# Altium PCB pcb_v1.PcbDoc (part 2 of 5)
Units mil, origin at the board's own origin, x right, y up, seen from the top; angles counter-clockwise.
Board outline 2527.56 x 5177.17 mil, 4 copper layers (L1 SIG, L2 SIG, L3 SIG, L4 SIG), stack 61.583 mil thick; 290 components, 207 nets, 1103 pads, 2427 vias.
Unrouted connection lines stored in the file: 255.
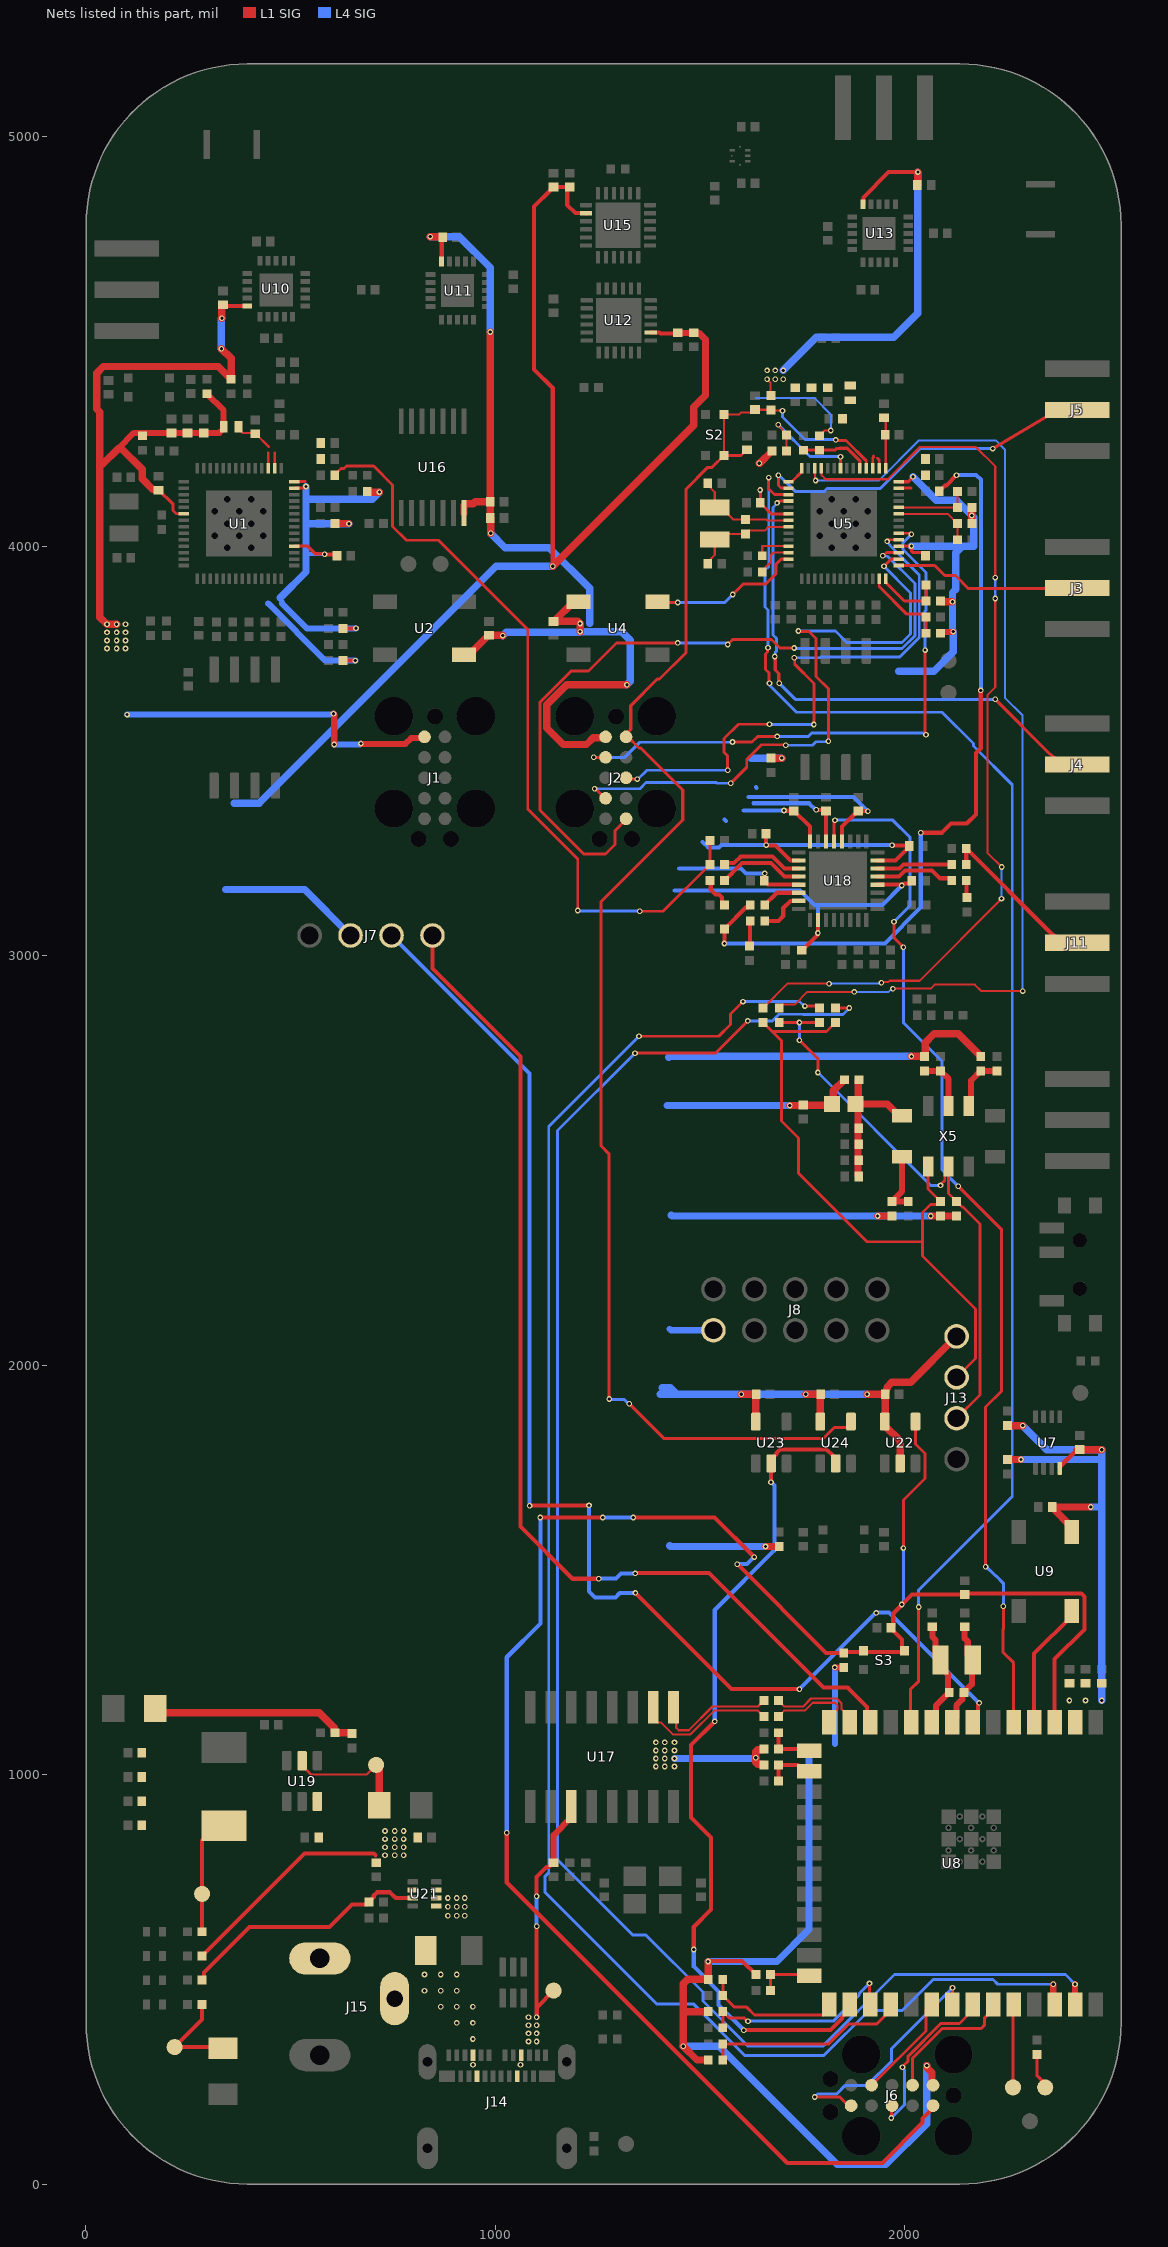
[diagram p4: the nets of this part, all layers, seen from the top]

## Part data (continued)
R76 R82 R83 R84 R85 R89 R90 R91 R93: library part RES_RC0402FR-0749R9L, "Res General Purpose Thick Film 0402 49.9 Ohm 1% 1/16W ±100ppm/°C Molded SMD Paper T/R", Case Code (Imperial)=0402, Case Code (Metric)=1005, Manufacturer=Yageo, Manufacturer Part Number=RC0402FR-0749R9L, Max Operating Temperature=155°C, Max Power Dissipation=63mW, Min Operating Temperature=-55°C, Package Quantity=1, Power Rating=62.5mW, Resistance Tolerance=1%, Resistor Type="Thick Film", Supplier Part Number 1=311-49.9LRCT-ND, Temperature Coefficient=100ppm/°C, Voltage Rating=50V, Case/Package=0402, Category="Chip SMD Resistors", ComponentLink1Description=https://datasheet.ciiva.com/7983/1018594-7983542.pdf?src-supplier=Element14, ComponentLink1URL=https://datasheet.ciiva.com/7983/1018594-7983542.pdf?src-supplier=Element14, ComponentLink2Description=https://datasheet.ciiva.com/22747/1018594-22747514.pdf?src-supplier=Element14, ComponentLink2URL=https://datasheet.ciiva.com/22747/1018594-22747514.pdf?src-supplier=Element14, ComponentLink3Description=https://datasheet.ciiva.com/2453/pyu-r-int-thick-7-2453356.pdf?src-supplier=Digi-Key, ComponentLink3URL=https://datasheet.ciiva.com/2453/pyu-r-int-thick-7-2453356.pdf?src-supplier=Digi-Key, ComponentLink4Description=https://datasheet.ciiva.com/2453/pyu-r-int-thick-7-2453357.pdf?src-supplier=Digi-Key, ComponentLink4URL=https://datasheet.ciiva.com/2453/pyu-r-int-thick-7-2453357.pdf?src-supplier=Digi-Key, ComponentLink5Description=https://datasheet.ciiva.com/2453/pyu-r-int-thick-7-2453355.pdf?src-supplier=Digi-Key, ComponentLink5URL=https://datasheet.ciiva.com/2453/pyu-r-int-thick-7-2453355.pdf?src-supplier=Digi-Key, ComponentLink6Description=https://datasheet.ciiva.com/16743/pyu-rc0402-51-rohs-l-6-r-16743942.pdf?src-supplier=Future+Electronics, ComponentLink6URL=https://datasheet.ciiva.com/16743/pyu-rc0402-51-rohs-l-6-r-16743942.pdf?src-supplier=Future+Electronics, Construction=Rectangular, Depth=0.5mm, Features="Moisture Resistant", Height=0.016inch, Lead Free="Lead Free", Length=1mm, Military Standard=Not, Number of Terminations=2, Packaging="Tape and Reel", Pins=2, Pricing 1="1=0.10000, 10=0.01400, 100=0.00580, 1000=0.00262, 2500=0.00228, 5000=0.00188 (USD)", Reach SVHC Compliant=Yes, RoHS=Yes, RoHS Compliant=Yes, Series=RC, Stock 1=11146612, Supplier 1=Digi-Key, Technology="THICK FILM", Termination=SMD/SMT, Tolerance=1%, Voltage Rating (DC)=50V, Width=0.02inch, Working Voltage=50V
R86 R87 R88 R95 R96 R97: library part RES_CRCW0402100KFKED, "Res Thick Film 0402 100K Ohm 1% 1/16W ±100ppm/°C Molded SMD Paper T/R", Case Code (Imperial)=0402, Case Code (Metric)=1005, Manufacturer=Vishay, Manufacturer Part Number=CRCW0402100KFKED, Max Operating Temperature=155°C, Max Power Dissipation=63mW, Min Operating Temperature=-55°C, Package Quantity=10000, Resistance=100kR, Resistance Tolerance=1%, Resistor Type="Thick Film", Supplier Part Number 1=24W1923, Temperature Coefficient=100ppm/°C, Voltage Rating=50V, Case/Package=0402, Category="Chip SMD Resistors", ComponentLink1Description=https://datasheet.ciiva.com/11810/0900766b80d98824-11810752.pdf?src-supplier=RSComponents, ComponentLink1URL=https://datasheet.ciiva.com/11810/0900766b80d98824-11810752.pdf?src-supplier=RSComponents, ComponentLink2Description=https://datasheet.ciiva.com/2463/dcrcwe3-2463064.pdf?src-supplier=Digi-Key, ComponentLink2URL=https://datasheet.ciiva.com/2463/dcrcwe3-2463064.pdf?src-supplier=Digi-Key, ComponentLink3Description=https://datasheet.ciiva.com/2463/dcrcwe3-2463065.pdf?src-supplier=Digi-Key, ComponentLink3URL=https://datasheet.ciiva.com/2463/dcrcwe3-2463065.pdf?src-supplier=Digi-Key, ComponentLink4Description=https://datasheet.ciiva.com/2463/dcrcwe3-2463066.pdf?src-supplier=Digi-Key, ComponentLink4URL=https://datasheet.ciiva.com/2463/dcrcwe3-2463066.pdf?src-supplier=Digi-Key, ComponentLink5Description=https://datasheet.ciiva.com/3255/dcrcwe3-3255947.pdf?src-supplier=Avnet, ComponentLink5URL=https://datasheet.ciiva.com/3255/dcrcwe3-3255947.pdf?src-supplier=Avnet, ComponentLink6Description=https://datasheet.ciiva.com/3255/dcrcwe3-3255948.pdf?src-supplier=Avnet, ComponentLink6URL=https://datasheet.ciiva.com/3255/dcrcwe3-3255948.pdf?src-supplier=Avnet, ComponentLink7Description=https://datasheet.ciiva.com/5546/dcrcwe3-109170-5546638.pdf?src-supplier=Mouser, ComponentLink7URL=https://datasheet.ciiva.com/5546/dcrcwe3-109170-5546638.pdf?src-supplier=Mouser, ComponentLink8Description=https://datasheet.ciiva.com/26316/fld-crcw-e3-data-en-26316630.pdf?src-supplier=Distrelec, ComponentLink8URL=https://datasheet.ciiva.com/26316/fld-crcw-e3-data-en-26316630.pdf?src-supplier=Distrelec, ComponentLink9Description=https://datasheet.ciiva.com/16941/dcrcwe3-16941129.pdf?src-supplier=Avnet+Europe, ComponentLink9URL=https://datasheet.ciiva.com/16941/dcrcwe3-16941129.pdf?src-supplier=Avnet+Europe, ComponentLink10Description=https://datasheet.ciiva.com/16208/dcrcwe3-16208508.pdf?src-supplier=Future+Electronics, ComponentLink10URL=https://datasheet.ciiva.com/16208/dcrcwe3-16208508.pdf?src-supplier=Future+Electronics, ComponentLink11Description=https://datasheet.ciiva.com/46441/1720486-46441598.pdf?src-supplier=Element14, ComponentLink11URL=https://datasheet.ciiva.com/46441/1720486-46441598.pdf?src-supplier=Element14, ComponentLink12Description=https://datasheet.ciiva.com/16776/70201119-16776281.pdf?src-supplier=Allied+Electronics, ComponentLink12URL=https://datasheet.ciiva.com/16776/70201119-16776281.pdf?src-supplier=Allied+Electronics, Construction=Rectangular, Contact Plating=Tin, Depth=0.5mm, Features="Automotive AEC-Q200", Height=0.35mm, Lead Free="Lead Free", Length=1mm, Military Standard=Not, Mount="Surface Mount", Number of Pins=2, Number of Terminations=2, Packaging="Tape and Reel", Power Rating=63mW, Pricing 1="1=0.00600, 10000=0.00600 (USD)", Radiation Hardening=No, REACH SVHC=Unknown, RoHS=Yes, RoHS Compliant=Yes, Series=CRCW, Size Code=0402, Stock 1=3660000, Supplier 1=Newark, Technology="THICK FILM", Termination=SMD/SMT, Tolerance=1%, Voltage Rating (DC)=50V, Weight=2.3E-05oz, Width=0.02inch
R100 R101: library part RES_RMCF0402FT5K10, "Res Thick Film 0402 5.1K Ohm 1% 0.063W ±100ppm/°C Molded SMD Paper T/R", Case Code (Imperial)=0402, Case Code (Metric)=1005, Manufacturer="Stackpole Electronics", Manufacturer Part Number=RMCF0402FT5K10, Max Operating Temperature=155°C, Max Power Dissipation=63mW, Min Operating Temperature=-55°C, Power Rating=62.5mW, Resistance=5.1kR, Resistor Type="Thick Film", Supplier Part Number 1=RMCF0402FT5K10CT-ND, Temperature Coefficient=100ppm/°C, Tolerance=1%, Case/Package=0402, Category="Chip SMD Resistors", ComponentLink1Description=http://components.arrow.com/part/dataview/51396875S385758N1174?src-supplier=Arrow+Electronics, ComponentLink1URL=http://components.arrow.com/part/dataview/51396875S385758N1174?src-supplier=Arrow+Electronics, ComponentLink2Description=https://www.seielect.com/catalog/SEI-RMCF_RMCP.pdf?src-supplier=Avnet, ComponentLink2URL=https://www.seielect.com/catalog/SEI-RMCF_RMCP.pdf?src-supplier=Avnet, ComponentLink3Description=https://www.seielect.com/catalog/SEI-Packaging.pdf?src-supplier=Digi-Key, ComponentLink3URL=https://www.seielect.com/catalog/SEI-Packaging.pdf?src-supplier=Digi-Key, ComponentLink4Description=https://www.seielect.com/catalog/SEI-RMCF_RMCP.pdf?src-supplier=Avnet+Asia, ComponentLink4URL=https://www.seielect.com/catalog/SEI-RMCF_RMCP.pdf?src-supplier=Avnet+Asia, Contact Plating=Tin,Matte, Features="Automotive AEC-Q200", Height=0.016inch, Length=0.039inch, Mount="Surface Mount", Number of Terminations=2, Packaging="Tape and Reel", Pricing 1="1=0.10000, 10=0.01500, 100=0.00610, 1000=0.00274, 2500=0.00238, 5000=0.00197 (USD)", Radiation Hardening=No, RoHS=Yes, RoHS Compliant=Yes, Series=RMCF, Stock 1=428257, Supplier 1=Digi-Key, Width=0.02inch
R102: library part RES_RC0402FR-0733K2L, "Res General Purpose Thick Film 0402 33.2K Ohm 1% 1/16W ±100ppm/°C Molded SMD Paper T/R", Case Code (Imperial)=0402, Case Code (Metric)=1005, Manufacturer=Yageo, Manufacturer Part Number=RC0402FR-0733K2L, Max Operating Temperature=155°C, Max Power Dissipation=63mW, Min Operating Temperature=-55°C, Power Rating=62.5mW, Supplier Part Number 1=311-33.2KLRCT-ND, Temperature Coefficient=100ppm/°C, Tolerance=1%, Voltage Rating=50V, Case/Package=0402, Category="Chip SMD Resistors", ComponentLink1Description=https://datasheet.ciiva.com/12668/pyu-rc0402-51-rohs-l-6-r-12668254.pdf?src-supplier=Mouser, ComponentLink1URL=https://datasheet.ciiva.com/12668/pyu-rc0402-51-rohs-l-6-r-12668254.pdf?src-supplier=Mouser, ComponentLink2Description=https://datasheet.ciiva.com/16740/pyu-rc0402-51-rohs-l-6-r-16740856.pdf?src-supplier=Future+Electronics, ComponentLink2URL=https://datasheet.ciiva.com/16740/pyu-rc0402-51-rohs-l-6-r-16740856.pdf?src-supplier=Future+Electronics, Construction=Rectangular, Depth=0.5mm, Features="Moisture Resistant", Lead Free="Lead Free", Length=1mm, Military Standard=Not, Number of Terminations=2, Packaging="Tape and Reel", Pricing 1="1=0.1, 10=0.015, 100=0.0073, 1000=0.00417, 2500=0.00342, 5000=0.00297 (USD)", RoHS=Yes, RoHS Compliant=Yes, Series=RC, Stock 1=594228, Supplier 1=Digi-Key, Technology="THICK FILM", Termination=SMD/SMT, Working Voltage=50V
S1 S2 S3 S4: library part SW_SKSVCAE010, "2.8x1.9mm Compact Type with Projection Surface Mount SKSV Series Tact Switch", Manufacturer="Alps Electric", Supplier Part Number 1=688-SKSVCAE010, Category="Tactile Switches", ComponentLink1Description=http://www.mouser.com/ds/2/15/ALPS_SKSVCAE010-463040.pdf?src-supplier=Mouser, ComponentLink1URL=http://www.mouser.com/ds/2/15/ALPS_SKSVCAE010-463040.pdf?src-supplier=Mouser, Manufacturer Part Number=SKSVCAE010, Pricing 1="1=0.54000, 10=0.54000, 50=0.43600, 100=0.42100, 1000=0.37500, 10000=0.36200 (USD)", RoHS=Yes, RoHS Compliant=Yes, Stock 1=17441, Supplier 1=Mouser
SW1: library part SW_PCM12SMTR, "Slide Switch SPDT Surface Mount, Right Angle", Package="DO-201 C&amp;K Components", Digi-Key_Part_Number=401-2016-1-ND, Digi-Key_Purchase_URL=https://www.digikey.com/product-detail/en/c-k/PCM12SMTR/401-2016-1-ND/1640125?utm_source=snapeda&utm_medium=aggregator&utm_campaign=symbol, MF=C&K, MP=PCM12SMTR, SnapEDA_Link=https://www.snapeda.com/parts/PCM12SMTR/C&K/view-part/229977/?ref=snap
TP1 TP2 TP3 TP4 TP5 TP6 TP7 TP8 TP9 TP10 TP11 TP12 TP13: library part TP_PAD-1MM
U1 U5: library part IC_ESP32-S3, "IC RF TxRx + MCU Bluetooth, WiFi 802.11b/g/n, Bluetooth v5.0 2.412GHz ~ 2.484GHz 56-VFQFN Exposed Pad", Package=None, Supplier Part Number 1=C2913192, Availability="In Stock", Check_prices=https://www.snapeda.com/parts/ESP32-S3/Espressif+Systems/view-part/?ref=eda, MF="Espressif Systems", MP=ESP32-S3, Price=None, Purchase-URL=https://pricing.snapeda.com/search/part/ESP32-S3/?ref=eda, SnapEDA_Link=https://www.snapeda.com/parts/ESP32-S3/Espressif+Systems/view-part/?ref=snap, Supplier 1=LCSC
U2 U4 U9: library part LED_WS2812B-B, "Intelligent control LED integrated light source", Manufacturer=WORLDSEMI, Manufacturer Part Number=WS2812B-B/W, Package=None, Supplier Part Number 1=C114586, Availability=Unavailable, Category=Uncategorized, MP=WS2812B-B, Price=None, Pricing 1="5=0.0923, 50=0.0756, 150=0.067, 1000=0.06, 2000=0.0575, 5000=0.0558 (USD)", RoHS=No, Stock 1=70735, Supplier 1=LCSC
U3 U6: library part IC_W25Q128JVSIQ, "NOR Flash Serial (SPI, Dual SPI, Quad SPI) 3.3V 128M-bit 16M x 8 6ns 8-Pin SOIC Tube", Case/Package=SOIC, Frequency=133MHz, Manufacturer=Winbond, Max Operating Temperature=85°C, Min Operating Temperature=-40°C, Supplier Part Number 1=W25Q128JVSIQ-ND, Category=Flash, ComponentLink1Description=http://www.winbond.com/resource-files/w25q128jv%20revf%2003272018%20plus.pdf?src-supplier=Digi-Key, ComponentLink1URL=http://www.winbond.com/resource-files/w25q128jv%20revf%2003272018%20plus.pdf?src-supplier=Digi-Key, Manufacturer Part Number=W25Q128JVSIQ, Memory Format=Non-Volatile,FLASH, Memory Size=128Mb, Mounting Technology="Surface Mount", Packaging=Tray, Pricing 1="1=1.71, 10=1.562, 25=1.52, 50=1.5124, 100=1.3519, 250=1.348, 500=1.32762, 1000=1.27127, 5000=1.18359 (USD)", RoHS=Yes, RoHS Compliant=Yes, Series=SpiFlash®, Stock 1=154352, Supplier 1=Digi-Key
U7: library part IC_SN74LVC3G07DCUR, "Triple Buffer/Driver With Open-Drain Output, DCU0008A, LARGE T&R", F @ Nom Voltage(Max)(Mhz)=150, Generic Part Number=SN74LVC3G07, ICC @ Nom Voltage(Max)(mA)=0.01, Manufacturer="Texas Instruments", Operating Temperature Range(C)="-40 to 125,-40 to 85", Rating=Catalog, tpd @ Nom Voltage(Max)(ns)=8.3,4.8,4.2,3.4, Voltage(Nom)(V)=1.8,2.5,3.3,5, 3-State Output=No, Bits(#)=3, DatasheetVersion=SCES365K, Input Type=CMOS/TTL, Logic=True, Manufacturer Part Number=SN74LVC3G07DCUR, Output Drive (IOL/IOH)(Max)(mA)=32/-32, Output Type=CMOS, PackageReference=DCU0008A, Schmitt Trigger=No, Sub-Family="Non-Inverting Buffer/Driver", Technology Family=LVC, VCC(Max)(V)=5.5, VCC(Min)(V)=1.65
U8: library part IC_ESP32-S3-WROOM-1U, "2.4 GHz Wi-Fi (802.11 b/g/n) and Bluetooth 5 (LE) module", Package=Package, Supplier Part Number 1=1965-ESP32-S3-WROOM-1U-N8R8CT-ND, Availability="Not in stock", Check_prices=https://www.snapeda.com/parts/ESP32-S3-WROOM-1U/Espressif+Systems/view-part/?ref=eda, MF="Espressif Systems", MP=ESP32-S3-WROOM-1U, Price=None, SnapEDA_Link=https://www.snapeda.com/parts/ESP32-S3-WROOM-1U/Espressif+Systems/view-part/?ref=snap, Supplier 1=Digi-Key
U10 U11 U13: library part RF_PE42420F-Z, "RF Switch, SPDT, 0.03 to 6 GHz, 0.95 dB IL, 70 dB Isolation, 45.4 dBm Pwr Rating, QFN", Manufacturer=pSemi, Supplier Part Number 1=1046-1158-1-ND, Category=Uncategorized, Manufacturer Part Number=PE42420F-Z, Pricing 1="1=2.32, 100=2.145 (USD)", RoHS=No, Stock 1=19071, Supplier 1=Digi-Key
U12 U15: library part IC_HMC472ALP4ETR, "RF Attenuator 31.5dB ±0.35dB 0 ~ 3.8GHz 50 Ohm 560mW 24-VFQFN Exposed Pad", Attenuation Value=31.5dB, Case/Package=SMD/SMT, Clock Frequency=3.8GHz, Manufacturer="Analog Devices", Max Operating Temperature=85°C, Max Power Dissipation=560mW, Min Operating Temperature=-40°C, Operating Supply Voltage=5V, Package Quantity=500, Supplier Part Number 1=C208585, Category="RF Semiconductors and Devices", ComponentLink1Description=https://datasheet.ciiva.com/46637/qtr-2013-00285-46637115.pdf?src-supplier=Digi-Key, ComponentLink1URL=https://datasheet.ciiva.com/46637/qtr-2013-00285-46637115.pdf?src-supplier=Digi-Key, ComponentLink2Description=https://datasheet.ciiva.com/46637/qtr-2013-00285-46637114.pdf?src-supplier=Digi-Key, ComponentLink2URL=https://datasheet.ciiva.com/46637/qtr-2013-00285-46637114.pdf?src-supplier=Digi-Key, ComponentLink3Description=https://datasheet.ciiva.com/46637/qtr-2013-00285-46637116.pdf?src-supplier=Digi-Key, ComponentLink3URL=https://datasheet.ciiva.com/46637/qtr-2013-00285-46637116.pdf?src-supplier=Digi-Key, Impedance=50R, Insertion Loss=3dB, Lead Free="Contains Lead", Manufacturer Part Number=HMC472ALP4ETR, Number of Bits=6, Number of Channels=1, Packaging="Tape and Reel", Pins=24, Pricing 1="1=2.2846, 10=1.9791, 30=1.7882, 100=1.4844, 500=1.3969, 1000=1.3587 (USD)", RoHS=Yes, RoHS Compliant=Yes, Series=-, Stock 1=927, Supplier 1=LCSC, Technology=GAAS, Weight=0.032741oz
U14: library part RF_SKY13323-378LF, "RF Switch SPDT 100MHz to 3GHz 24dB Automotive 6-Pin QFN EP T/R / IC SPDT 100MHZ-3GHZ 6-MLPD", Case/Package=QFN, Clock Frequency=3GHz, Manufacturer="Skyworks Solutions", Max Operating Temperature=85°C, Min Operating Temperature=-40°C, Operating Frequency="100 MHz to 3 GHz", Package Quantity=3000, Supplier Part Number 1=C150867, Category="RF Semiconductors and Devices", ComponentLink1Description=https://datasheet.ciiva.com/12072/201080e-33716-12072198.pdf?src-supplier=Mouser, ComponentLink1URL=https://datasheet.ciiva.com/12072/201080e-33716-12072198.pdf?src-supplier=Mouser, ComponentLink2Description=https://datasheet.ciiva.com/2799/201080e-2799483.pdf?src-supplier=Digi-Key, ComponentLink2URL=https://datasheet.ciiva.com/2799/201080e-2799483.pdf?src-supplier=Digi-Key, ComponentLink3Description=https://datasheet.ciiva.com/8155/201080e-8155659.pdf?src-supplier=Avnet, ComponentLink3URL=https://datasheet.ciiva.com/8155/201080e-8155659.pdf?src-supplier=Avnet, IIP3=50dBm, Impedance=50R, Insertion Loss=0.35dB, Lead Free="Lead Free", Manufacturer Part Number=SKY13323-378LF, Number of Switches=1, P1dB=27dBm, Packaging="Tape and Reel", Pricing 1="1=0.322, 10=0.2602, 30=0.2338, 100=0.2008, 500=0.1647, 1000=0.1559 (USD)", RoHS=Yes, RoHS Compliant=Yes, Series=-, Stock 1=18148, Supplier 1=LCSC, Test Frequency=3GHz, Throw Configuration=SPDT
U16: library part IC_74LV04PW,118, "IC HEX INVERTER 14TSSOP", Manufacturer=Nexperia, Supplier Part Number 1=C547867, Category="Logic Gates", Manufacturer Part Number=74LV04PW,118, Pricing 1="5=0.1694, 50=0.1449, 150=0.1411, 500=0.1353 (USD)", RoHS=Yes, RoHS Compliant=Yes, Stock 1=9740, Supplier 1=LCSC
U17: library part IC_SL2.1A, "USB 2.0 HIGH SPEED 4-PORT HUB CONTROLLER", Package=Package, Supplier Part Number 1=C192893, Availability="No availability data", Check_prices=https://www.snapeda.com/parts/SL2.1A/CoreChips%20ShenZhen%20CO.,Ltd/view-part/4219225/?ref=eda, MF="CoreChips ShenZhen CO.,Ltd", MP=SL2.1A, Price=None, SnapEDA_Link=https://www.snapeda.com/parts/SL2.1A/CoreChips%20ShenZhen%20CO.,Ltd/view-part/4219225/?ref=snap, Supplier 1=LCSC
U18: library part IC_LMK00334RTVR, "4-output PCIe Gen1/Gen2/Gen3/Gen4 clock buffer and level translator 32-WQFN -40 to 85", Clock Frequency=400MHz, Manufacturer="Texas Instruments", Max Operating Temperature=85°C, Max Supply Voltage=3.45V, Min Operating Temperature=-40°C, Min Supply Voltage=3.15V, Operating Supply Current=13.5mA, Operating Supply Voltage=3.3V, Package Quantity=1000, Supplier Part Number 1=C201644, Supply Current=8.5mA, Category="Clock Buffers, Drivers", ComponentLink1Description=https://datasheet.ciiva.com/28657/1789733-28657440.pdf?src-supplier=Element14, ComponentLink1URL=https://datasheet.ciiva.com/28657/1789733-28657440.pdf?src-supplier=Element14, ComponentLink2Description=https://datasheet.ciiva.com/29661/lmk00334-29661008.pdf?src-supplier=Digi-Key, ComponentLink2URL=https://datasheet.ciiva.com/29661/lmk00334-29661008.pdf?src-supplier=Digi-Key, Frequency=400MHz, Input=Crystal, Lead Free="Lead Free", Manufacturer Part Number=LMK00334RTVR, Max Duty Cycle=55%, Mounting Technology="Surface Mount", Number of Circuits=1, Number of Outputs=4, Packaging="Tape and Reel", Pins=32, PLL=No, Pricing 1="1=2.0539, 10=1.7676, 30=1.5894, 100=1.3841, 500=1.3014, 1000=1.2648 (USD)", Propagation Delay=2700ps, Radiation Hardening=No, Reach SVHC Compliant=No, RoHS=Yes, RoHS Compliant=Yes, Series=-, Stock 1=1001, Supplier 1=LCSC
U19: library part IC_AP62200TWU-7, "4.2V to 18V Input, 2A Low Iq Synchronous Buck Converter, Pfm/pwm", Manufacturer=Diodes, Supplier Part Number 1=C2895288, Category="Voltage Regulators - Switching", Manufacturer Part Number=AP62200TWU-7, Pricing 1="5=0.127, 50=0.1034, 150=0.0916, 500=0.0743, 3000=0.0673, 6000=0.0637 (USD)", RoHS=Yes, Stock 1=68810, Supplier 1=LCSC
U20: library part IC_TPD4E1U06DCKR, "TVS DIODE 5.5VWM 15VC SC70-6", Breakdown Voltage=6.5V, Case/Package=SC, Clamping Voltage=11V, Manufacturer="Texas Instruments", Max Operating Temperature=125°C, Max Power Dissipation=45W, Max Reverse Leakage Current=10nA, Min Operating Temperature=-40°C, Operating Supply Voltage=5.5V, Package Quantity=3000, Peak Pulse Current=3A, Power Line Protection=Yes, Supplier Part Number 1=C194628, Test Current=1mA, Category="Integrated Circuits (ICs)", ComponentLink1Description=https://datasheet.ciiva.com/12545/tpd4e1u06-224689-12545136.pdf?src-supplier=Mouser, ComponentLink1URL=https://datasheet.ciiva.com/12545/tpd4e1u06-224689-12545136.pdf?src-supplier=Mouser, ComponentLink2Description=https://datasheet.ciiva.com/6574/tpd4e1u06-6574672.pdf?src-supplier=Digi-Key, ComponentLink2URL=https://datasheet.ciiva.com/6574/tpd4e1u06-6574672.pdf?src-supplier=Digi-Key, Direction=Unidirectional, ESD Protection=Yes, Height=1mm, Interface=LVDS,USB,Ethernet, Lead Free="Lead Free", Length=2.15mm, Manufacturer Part Number=TPD4E1U06DCKR, Min Breakdown Voltage=6.5V, Mounting Technology="Surface Mount", Number of Channels=4, Number of Unidirectional Channels=4, Packaging="Tape and Reel", Peak Pulse Power=45W, Pins=6, Pricing 1="1=0.1276, 10=0.0987, 30=0.0864, 100=0.0709, 500=0.064, 1000=0.0478 (USD)", Reach SVHC Compliant=No, Reverse Standoff Voltage=5.5V, RoHS=Yes, RoHS Compliant=Yes, Series=-, Stock 1=448671, Supplier 1=LCSC, Termination=SMD/SMT, Width=1.4mm, Working Voltage=5.5V
U21: library part IC_TPS2116DRLR, "1.6-V to 5.5-V, 40-mΩ, 2.5-A, low-IQ, priority power multiplexer 8-SOT-5X3 -40 to 125", Manufacturer="Texas Instruments", Package=Package, Supplier Part Number 1=C3235557, Availability="No availability data", Category="Voltage Supervisors", Check_prices=https://www.snapeda.com/parts/TPS2116DRLR/Texas%20Instruments/view-part/5674360/?ref=eda, Manufacturer Part Number=TPS2116DRLR, MF="Texas Instruments", MP=TPS2116DRLR, Price=None, Pricing 1="1=0.6651, 10=0.5457, 30=0.4853, 100=0.4264, 500=0.3914, 1000=0.3723 (USD)", RoHS=Yes, SnapEDA_Link=https://www.snapeda.com/parts/TPS2116DRLR/Texas%20Instruments/view-part/5674360/?ref=snap, Stock 1=562, Supplier 1=LCSC
U22 U23 U24: library part IC_SN74LVC1G08DBVR, "AND Gate IC 1 Channel  SOT-23-5", Case/Package=SOT-23, High Level Output Current=-32mA, Low Level Output Current=32mA, Manufacturer="Texas Instruments", Max Operating Temperature=125°C, Max Supply Voltage=5.5V, Min Operating Temperature=-40°C, Min Supply Voltage=1.65V, Package="SOT-23-5 Texas Instruments", Package Quantity=1, Quiescent Current=10uA, Supplier Part Number 1=C7666, Availability=Unavailable, Category="Logic Gates", ComponentLink1Description=https://datasheet.ciiva.com/28540/1772545-28540795.pdf?src-supplier=Element14, ComponentLink1URL=https://datasheet.ciiva.com/28540/1772545-28540795.pdf?src-supplier=Element14, ComponentLink2Description=https://datasheet.ciiva.com/46439/1834190-46439158.pdf?src-supplier=Element14, ComponentLink2URL=https://datasheet.ciiva.com/46439/1834190-46439158.pdf?src-supplier=Element14, ComponentLink3Description=https://datasheet.ciiva.com/48703/001074511-da-01-en-ic-2-input-sn74lvc1g08dbvr-sot-23-5-tid-48703802.pdf?src-supplier=Conrad, ComponentLink3URL=https://datasheet.ciiva.com/48703/001074511-da-01-en-ic-2-input-sn74lvc1g08dbvr-sot-23-5-tid-48703802.pdf?src-supplier=Conrad, Lead Free="Lead Free", Logic Function="AND GATE", Manufacturer Part Number=SN74LVC1G08DBVR, Max Output current=32mA, MF="Texas Instruments", Mounting Technology="Surface Mount", MP=SN74LVC1G08DBVR, Number of Bits=1, Number of Circuits=1, Number of Elements=1, Number of Gates=1, Number of Input Lines=2, Number of Inputs=2, Number of Output Lines=1, Number of Outputs=1, Output Current=32mA, Packaging="Tape and Reel", Pins=5, Price=None, Pricing 1="5=0.0774, 50=0.0637, 150=0.0568, 500=0.0517, 3000=0.0419, 6000=0.0399 (USD)", Propagation Delay=4ns, Radiation Hardening=No, Reach SVHC Compliant=No, RoHS=Yes, RoHS Compliant=Yes, Series=74LVC, SnapEDA_Link=https://www.snapeda.com/parts/SN74LVC1G08DBVR/Texas%20Instruments/view-part/78735/?ref=snap, Stock 1=24375, Supplier 1=LCSC, Technology=CMOS, Termination=SMD/SMT, Texas_Instruments-Purchase-URL=https://snapeda.com/shop?store=Texas+Instruments&id=78735, Turn-On Delay Time=4.5ns, Weight=0.000557oz
X1 X2 X3: library part XTAL_X321532768KGD2SI, "贴片无源晶振 32.768KHZ 12.5PF ±20ppm –40~+85 ℃", Manufacturer=YXC, Manufacturer Part Number=X321532768KGD2SI, Supplier Part Number 1=C620155, RoHS=No, Supplier 1=LCSC
X4: library part XTAL_TAXM12M4RLBDDT2T, Manufacturer="TAE(Zhejiang Abel Elec)", Manufacturer Part Number=TAXM12M4RLBDDT2T, Supplier Part Number 1=C133334, Category=Uncategorized, Pricing 1="5=0.0594, 50=0.048, 150=0.0421, 500=0.0374, 3000=0.0357, 6000=0.0345 (USD)", RoHS=No, Stock 1=105435, Supplier 1=LCSC
X5: library part XTAL_SIT5501AI-WUG33JT-10.000000, "1 MHz  60 MHz, Elite X Stratum 3E Precision Oscillator", Manufacturer_Name=SiTime, Datasheet Link=https://www.sitime.com/support/resource-library/datasheets/sit5501-datasheet, Geometry.Height=2.2mm, Manufacturer_Part_Number=SiT5501AI-WU033JH-40.000000

## Via types
v1: diameter 13.78, hole 7.87, L1 SIG to L4 SIG, tented both sides, 2106 vias
v2: diameter 11.81, hole 7.87, L1 SIG to L4 SIG, 294 vias
v3: diameter 19.68, hole 13.78, L1 SIG to L4 SIG, tented both sides, 21 vias
v4: diameter 200, hole 122, L1 SIG to L4 SIG, 4 vias
v5: diameter 11.81, hole 7.87, L1 SIG to L4 SIG, tented both sides, 2 vias

## Nets (pads, with @x,y where several pads share a name; then routed paths per layer and width w, separated by ;. In a path a pad name is that pad's centre, name@x,y a point inside that pad or via, vN(x,y) a via of type N, cw(c..) or ccw(c..) an arc to the next point about the centre after c; other vN are vias at no path point)
+3V3: C1.2 C2.2 C3.2 C4.2 C7.2 C8.2 C9.2 C12.2 C17.2 C18.2 C19.2 C20.2 C23.2 C24.2 C25.2 C27.2 C33.2 C34.2 C35.2 C36.2 C37.2 C42.2 C43.2 C51.2 C66.2 C67.2 C73.2 C74.2 C75.2 C76.2 C77.2 C78.2 C83.2 C84.2 C85.2 C89.2 C90.2 C91.2 C94.2 C95.2 C99.2 C100.2 C101.2 J1.1 J2.1 J6.1 J8.1 J13.1 L1.1 L2.1 L5.1 L6.2 R1.2 R8.2 R9.2 R15.2 R16.2 R17.2 R18.2 R23.2 R30.2 R31.2 R37.2 R38.2 R39.2 R40.2 R45.2 R46.2 R51.2 R52.2 R55.2 R56.2 R57.2 R58.2 R59.2 R66.2 R67.2 R68.2 R72.1 R86.2 R87.2 R88.2 R102.2 R103.1 R110.1 R111.2 TP11.1 U1.20 U1.46 U1.55 U1.56 U2.1 U4.1 U5.20 U5.46 U5.55 U5.56 U7.8 U8.2 U9.1 U10.20 U11.20 U13.20 U16.14 U18.2 U18.5 U18.10 U18.20 U18.23 U18.28 U18.30 U18.32 U22.2 U22.5 U23.5 U24.5 | length 20615.3
  L1 SIG w5: L1.1@335.85,4291.98 L1.1@336.5,4291.34 L1.1@336.5,4287.2 ; v1(1663.39,4407.48) 1671.4,4399.46 1671.4,4369.94 R23.2@1673.23,4368.11 ; R37.2@1791.34,4269.69 1803.99,4282.34 v1(1818.9,4282.34)
  L1 SIG w6: 212.6,4086.81 220.12,4079.28 238.63,4079.28 U1.20@239.17,4078.74
  L1 SIG w7: U1.46@508.86,4000 541.42,4000 ; U1.55@508.86,4141.73 v1@537.4,4141.73 ; U1.56@508.86,4157.48 535.43,4157.48 ; v1@1645.67,4137.8 1646.85,4136.61 C18.2@1646.85,4106.3 1646.85,4105.12 1673.23,4078.74 U5.20@1715.55,4078.74 ; U5.46@1985.24,4000 v1(2015.75,4000) ; U5.55@1985.24,4141.73 2013.78,4141.73
  L1 SIG w8: C2.2@175.54,4138.24 176.72,4138.24 212.6,4102.36 212.6,4086.81 ; v1@537.4,4141.73 v1@539.37,4143.7 ; 541.42,4000 560,3981.42 581.57,3981.42 v1(582.68,3980.32) ; U5.56@1985.24,4157.48 2007.87,4157.48 v1(2019.68,4169.29) ; v1(2015.75,4000) 2015.75,3988.88 2020.43,3984.19 2043.37,3984.19 2050,3977.56 C17.2@2050,3976.38
  L1 SIG w10: R110.1@283.46,616.14 TP11.1@283.46,708.66 283.46,839.25 319.19,874.98 L6.2@336.61,874.98 ; C42.2@334.65,4589.37 337.41,4586.61 U10.20@393.7,4586.61 ; v1(582.68,3980.32) 583.4,3979.59 609.78,3979.59 C1.2@612.99,3976.38 ; R8.2@627.95,3720.47 v1(657.48,3720.47) ; R9.2@627.95,3799.21 v1(659.45,3799.21) ; U11.20@868.11,4694.88 868.82,4695.6 868.82,4751.89 C43.2@870.87,4753.94 ; v1(1519.26,543.73) 1520.28,543.73 1521.83,545.28 1602.36,545.28 R59.2@1635.83,511.81 ; C76.2@1656.69,3183.07 1657.09,3183.46 1657.09,3200.39 v1(1657.48,3200.79) ; C77.2@1661.02,3297.64 C77.2@1660.63,3297.24 1661.02,3296.85 1661.02,3270.27 v1(1661.42,3269.88) 1662.14,3269.15 1683.31,3269.15 1720.06,3232.4 1740.63,3232.4 U18.2@1740.75,3232.28 ; C76.2@1665.35,3173.23 U18.5@1740.75,3173.23 ; v1(1704.72,3354.33) 1705.31,3353.74 1727.76,3353.74 C75.2@1728.35,3353.15 1729.53,3353.15 1767.72,3314.96 U18.32@1767.72,3278.94 ; C73.2@1748.03,3012.99 1753.66,3018.62 1754.84,3018.62 1786.68,3050.46 1786.68,3054.39 v1(1787.4,3055.12) U18.10@1787.4,3087.2 ; v1(1783.19,3356.03) 1783.92,3355.31 1804.93,3355.31 C85.2@1807.09,3353.15 U18.30@1807.09,3278.94 ; U18.28@1846.46,3278.94 1846.46,3314.96 1884.65,3353.15 C74.2@1885.83,3353.15 1886.22,3352.76 1909.06,3352.76 v1(1909.45,3352.36) ; U13.20@1897.63,4834.66 1898.34,4835.37 1898.34,4851.8 1959.93,4913.39 v1(2031.5,4913.39) ; U18.20@1932.48,3173.23 1989.13,3173.23 1991.1,3171.26 v1(1992.13,3171.26) 1993.15,3171.26 1998.15,3176.26 2010.91,3176.26 2016.54,3181.89 C83.2@2016.54,3183.07 ; U18.23@1932.48,3232.28 1976.38,3232.28 2010.63,3266.54 C84.2@2010.63,3267.72 2009.38,3268.96 1969.23,3268.96 v1(1968.5,3269.68)
  L1 SIG w11: U7.8@2377.95,1751.69 C36.2@2418.73,1792.46
  L1 SIG w15: 78.57,4238.02 116.93,4276.38 C7.2@208.66,4276.38 C8.2@248.03,4276.38 C9.2@287.4,4276.38 325.67,4276.38 L1.1@336.5,4287.2 ; R1.2@295.28,4372.05 335.85,4331.47 L1.1@335.85,4291.98 ; v1(604.33,3590.55) 606.3,3588.58 v1(606.3,3515.75) ; v1(671.26,3517.72) 671.97,3517.01 779.62,3517.01 793.8,3531.19 823.71,3531.19 J1.1@826.77,3534.25 ; v1(1828.74,1261.81) R55.2@1850.39,1261.81 ; R30.2@2089.94,3787.4 2089.94,3790.73 2117.5,3790.73 v1(2118.11,3791.34)
  L1 SIG w18: v1(74.8,3809.06) v1(51.18,3809.06) 33.46,3826.77 33.46,4206.41 ; C89.2@169.29,1166.34 C89.2@169.29,1161.42 179.98,1150.73 569.98,1150.73 606.44,1114.27 606.44,1104.19 R102.2@608.27,1102.36 647.64,1102.36 R103.1@649.61,1100.39 ; C2.2@175.54,4138.24 163.09,4138.24 136.95,4164.38 136.95,4187.85 86.78,4238.02 78.57,4238.02 40.21,4199.66 33.46,4206.41 ; v1(330.71,4482.28) 354.33,4458.66 R17.2@354.33,4407.48 323.09,4438.72 42.58,4438.72 26.2,4422.34 26.2,4334.82 33.46,4327.56 33.46,4206.41 ; v1(331.83,4556.24) 331.83,4587.74 333.46,4589.37 C42.2@334.65,4589.37 ; R18.2@608.27,4055.12 v1@641.73,4055.12 ; R16.2@687.01,4133.86 688.83,4132.03 716.39,4132.03 v1(716.54,4131.89) ; v1(840.55,4755.91) 869.24,4755.91 870.87,4754.28 C43.2@870.87,4753.94 ; U2.1@923.23,3734.25 935.04,3734.25 983.07,3782.28 C12.2@984.25,3782.28 1016.93,3782.28 v1(1017.72,3781.5) ; U16.14@923.23,4080.71 923.23,4100.11 926.32,4103.2 945.72,4103.2 950.79,4108.27 C66.2@987.01,4108.27 ; v1(987.01,4522.83) C66.2@987.01,4108.27 ; v1(988.19,4031.5) 988.19,4067.72 C67.2@987.01,4068.9 C66.2@987.01,4108.27 ; C27.2@1141.73,3816.14 C27.2@1142.91,3816.14 ; U4.1@1202.76,3864.17 1190.94,3864.17 C27.2@1142.91,3816.14 ; v1(1206.69,3791.34) v1(1206.69,3811.02) 1201.57,3816.14 C27.2@1142.91,3816.14 ; J2.1@1268.9,3534.25 1266.41,3531.76 1238.63,3531.76 1222.37,3515.51 1165.42,3515.51 1125.16,3555.78 1125.16,3612.73 1173.85,3661.42 v1(1320.87,3661.42) ; v1(1519.26,543.73) 1519.26,500.43 R56.2@1519.68,500 1469.21,500 1458.66,489.46 1458.66,421.26 ; R52.2@1519.68,303.15 1492.13,303.15 v1(1458.66,336.61) 1458.66,421.26 ; R51.2@1519.68,421.26 1458.66,421.26 ; v1(1600.39,1929.13) C100.2@1635.83,1929.13 ; U23.5@1635.83,1862.2 C100.2@1635.83,1929.13 ; C100.2@1636.61,1929.13 C100.2@1635.83,1929.13 ; v1@1643.7,4202.76 1645.67,4202.76 R39.2@1675.2,4232.28 ; R57.2@1655.51,1023.62 1653.68,1025.45 1640.55,1025.45 1635.83,1030.17 v1(1635.83,1041.34) 1635.83,1056.44 1640.55,1061.17 1653.68,1061.17 R58.2@1655.51,1062.99 ; v1(1659.45,1557.09) R111.2@1692.91,1557.09 ; R68.2@1673.23,3482.28 v1(1698.82,3482.28) ; v1(1718.5,2633.86) 1750.79,2633.86 C78.2@1751.97,2635.04 ; C78.2@1753.15,2635.04 1818.7,2635.04 L5.1@1821.46,2637.8 1825.23,2641.57 1825.23,2669.72 R72.1@1852.36,2696.85 ; v1(1757.87,1929.13) C101.2@1793.31,1929.13 ; U24.5@1793.31,1862.2 C101.2@1793.31,1929.13 ; C101.2@1794.09,1929.13 C101.2@1793.31,1929.13 ; v1(1907.48,1929.13) C99.2@1951.57,1929.13 1952.41,1931.94 1952.57,1932.49 1954.82,1940.1 ccw(c1923.15,1957.22) 1957.93,1947.93 1967.81,1957.82 1972.18,1958.29 2014.2,1958.29 J13.1@2125.98,2070.08 ; v1(1933.07,2364.17) R88.2@1968.5,2364.17 ; U22.5@1950.79,1862.2 1950.79,1852.36 1988.19,1814.96 U22.2@1988.19,1759.84 ; U22.5@1951.57,1862.99 C99.2@1951.57,1927.95 ; v1(2015.75,2753.94) R87.2@2047.24,2753.94 2049.07,2755.76 2049.07,2787.26 2070.87,2809.06 2129.92,2809.06 R86.2@2185.04,2753.94 ; C51.2@2030.32,4881.89 2031.5,4883.07 v1(2031.5,4913.39) ; v1(2053.15,289.37) 2053.15,284.67 2066.02,271.81 2066.02,244.02 J6.1@2068.5,241.54 ; v1(2062.99,2364.17) R66.2@2086.61,2364.17 R67.2@2125.98,2364.17 ; R31.2@2086.61,3866.14 2088.44,3864.32 2116,3864.32 v1(2116.14,3864.17) ; v1(2163.27,4074.92) 2163.27,4055.24 R40.2@2163.39,4055.12 ; v1@2163.39,4072.83 R38.2@2163.39,4094.49 ; R45.2@2250,1769.69 v1(2283.46,1769.68) ; R46.2@2250,1852.36 v1(2287.4,1852.36) ; U9.1@2407.48,1592.52 2407.48,1604.33 2359.45,1652.36 C37.2@2359.45,1653.54 v1@2452.76,1653.54 ; C36.2@2418.73,1792.46 2425.54,1792.46 C36.2@2427.17,1794.09 2427.95,1793.31 v1(2480.32,1793.31)
  L4 SIG w5: 1635.83,4362.2 1778.12,4362.2 1818.9,4321.43 v1(1818.9,4282.34)
  L4 SIG w10: 535.43,3980.32 537.4,3980.32 v1(582.68,3980.32) ; 1437.8,3158.66 1744.09,3158.66 1778.74,3124.02 1787.4,3124.02 ; 1448.82,3212.6 1599.85,3212.6 1611.67,3200.79 v1(1657.48,3200.79) ; 1505.91,3277.56 1519.69,3263.78 1545.81,3263.78 1551.72,3269.68 v1(1968.5,3269.68) ; 1559.06,3332.68 1562.99,3328.74 ; 1606.3,3354.33 v1(1704.72,3354.33) ; 1618.11,3387.8 1874.02,3387.8 v1(1909.45,3352.36) ; 1629.92,3372.05 1766.15,3372.05 1782.17,3356.03 v1(1783.19,3356.03) ; 1635.83,3411.42 1637.8,3409.45 ; v1(1787.4,3055.12) 1787.4,3124.02 ; v1(1992.13,3171.26) 1944.88,3124.02 1808.52,3124.02 1808.28,3123.78 1790.15,3123.78 1789.91,3124.02 1787.4,3124.02
  L4 SIG w15: v1(100.39,3588.58) 602.36,3588.58 v1(604.33,3590.55) ; 444.88,3860.24 584.65,3720.47 v1(657.48,3720.47) ; 478.35,3862.2 478.35,3860.24 539.37,3799.21 v1(659.45,3799.21) ; v1(606.3,3515.75) 669.29,3515.75 v1(671.26,3517.72) ; 1425.2,2088.58 1428.74,2085.04 J8.1@1532.28,2085.04 ; 1828.74,1074.8 v1(1828.74,1261.81)
  L4 SIG w18: v1(330.71,4482.28) 330.71,4555.12 v1(331.83,4556.24) ; 474.41,3874.02 537.4,3937.01 537.4,3980.32 537.4,4053.17 ; v1(537.4,4145.67) 537.4,4114.17 ; v1(642.34,4054.9) 539.13,4054.9 537.4,4053.17 ; v1(716.54,4131.89) 698.97,4114.32 537.55,4114.32 537.4,4114.17 ; v1(840.55,4755.91) 911.42,4755.91 987.01,4680.31 v1(987.01,4522.83) ; v1(988.19,4031.5) 1023.23,3996.45 1130.71,3996.45 1230.32,3896.85 1230.32,3811.02 ; v1(1017.72,3781.5) 1026.27,3790.05 1205.4,3790.05 v1(1206.69,3791.34) 1308.33,3791.34 1329.42,3770.25 1329.42,3669.97 v1(1320.87,3661.42) ; 1402.73,1929.13 1442.91,1929.13 ; 1407.48,1944.88 1427.17,1944.88 1442.91,1929.13 ; 1419.29,2633.86 v1(1718.5,2633.86) ; 1423.23,2751.97 1425.2,2753.94 v1(2015.75,2753.94) ; 1425.2,1559.06 1427.17,1557.09 v1(1659.45,1557.09) ; 1429.13,2366.14 1431.1,2364.17 v1(1933.07,2364.17) v1(2062.99,2364.17) ; v1(1437.01,1039.37) 1633.86,1039.37 v1(1635.83,1041.34) ; v1(1458.66,336.61) 1545.91,336.61 1834.73,47.79 1953.31,47.79 2053.15,147.64 v1(2053.15,289.37) ; v1(1519.26,543.73) 1687.43,543.73 1765.75,622.05 1765.75,1051.18 ; 1624.02,3482.28 v1(1698.82,3482.28) ; v1(1702.76,4429.13) 1783.46,4509.84 1973.01,4509.84 2031.5,4568.33 v1(2031.5,4913.39) ; v1(1907.48,1929.13) 1442.91,1929.13 ; 1984.25,3694.88 2070.75,3694.88 2118.11,3742.24 v1(2118.11,3791.34) 2116.14,3793.31 v1(2116.14,3864.17) 2116.14,3886.91 2124.02,3894.79 2124.02,3984.25 2139.76,4000 ; v1(2015.75,4000) 2139.76,4000 ; v1(2019.68,4169.29) 2076.77,4112.2 2125.98,4112.2 v1(2163.27,4074.92) 2165.35,4072.83 2167.66,4070.53 2167.66,4000 2139.76,4000 ; v1(2283.46,1769.68) 2476.38,1769.68 2480.32,1765.75 ; v1(2287.4,1852.36) 2346.46,1793.31 v1(2480.32,1793.31) 2480.32,1765.75 ; v1(2453.75,1653.63) 2478.44,1653.63 2480.32,1655.51 ; v1(2480.32,1181.1) 2480.32,1655.51 ; 537.4,4053.17 537.4,4114.17 ; 2480.32,1655.51 2480.32,1765.75
  other v1: 1391.77,1019.72 1413.39,1019.69 1437.01,1019.69 1391.73,1039.37 1413.39,1039.37 1391.73,1059.06 1413.39,1059.06 1437.01,1059.06 1391.73,1078.74 1413.39,1078.74 1437.01,1078.74 2401.57,1181.1 2440.94,1181.1 51.18,3750 74.8,3750 96.46,3750 51.18,3769.68 74.8,3769.68 96.46,3769.68 51.18,3789.37 74.8,3789.37 96.46,3789.37 96.46,3809.06 1646.26,4137.2 1644.3,4202.16 1683.07,4407.48 1702.76,4407.48 1663.39,4429.13 1683.07,4429.13
+3V3_DCTCXO: C79.2 C80.2 C81.2 C82.2 L5.2 R72.2 X5.10 | length 369.1
  L1 SIG w18: C82.2@1887.4,2460.24 C82.2@1887.01,2460.63 1885.38,2462.26 1885.38,2631.75 L5.2@1879.33,2637.8 ; R72.2@1887.8,2696.85 1885.97,2695.02 1885.97,2644.43 L5.2@1879.33,2637.8 ; X5.10@1993.11,2609.06 1985.24,2609.06 1956.5,2637.8 L5.2@1879.33,2637.8
+3V3_VDD3P3_RX: C26.2 L2.2 U5.2 U5.3 | length 57.6
  L1 SIG w7: U5.3@1921.26,4189.96 1921.26,4214.57 1923.23,4216.54 1923.23,4220.47 ; 1933.07,4214.57 1937.01,4210.63 U5.2@1937.01,4189.96
+3V3_VDD3P3_TX: C10.2 L1.2 U1.2 U1.3 | length 174.3
  L1 SIG w5: L1.2@372.17,4291.34 372.17,4287.2 383.33,4276.04 411.76,4276.04 C10.2@413.39,4274.41 414.57,4274.41 446.85,4242.13
  L1 SIG w6: U1.3@444.88,4189.96 444.88,4228.35 ; U1.2@460.63,4189.96 460.63,4228.35
+5V: C53.2 C54.2 C63.2 C64.2 C93.2 C96.2 C97.2 C98.2 J7.2 R109.1 TP12.1 U12.2 U15.2 U19.3 U19.5 U21.2 U21.7 | length 4176
  L1 SIG w5: U19.5@527.56,1034.06 527.56,1022.24 549.55,1000.26 685.3,1000.26 TP12.1@708.66,1023.62
  L1 SIG w10: R109.1@283.46,557.09 533.46,807.09 702.76,807.09 706.69,803.15 ; U19.3@558.35,941.06 U19.3@564.96,934.45 ; v1(1139.86,3950.69) 1139.86,4385.73 1094.49,4431.1 1094.49,4829.53 1134.92,4869.96 1134.92,4871.14 1140.55,4876.77 C63.2@1141.73,4876.77 C64.2@1181.1,4876.77 1180.83,4876.77 1175.2,4871.14 1175.2,4833.36 1195.45,4813.11 U15.2@1220.94,4813.11 ; U12.2@1379.33,4521.65 1379.45,4521.54 1399.99,4521.54 1402.34,4519.18 1443.2,4519.18 C53.2@1444.88,4520.87 ; U15.2@1220.94,4813.11 U15.2@1221.06,4812.99 U15.2@1220.94,4813.11